# Altium PCB MC21R01.PcbDoc (part 4 of 5) (continued)
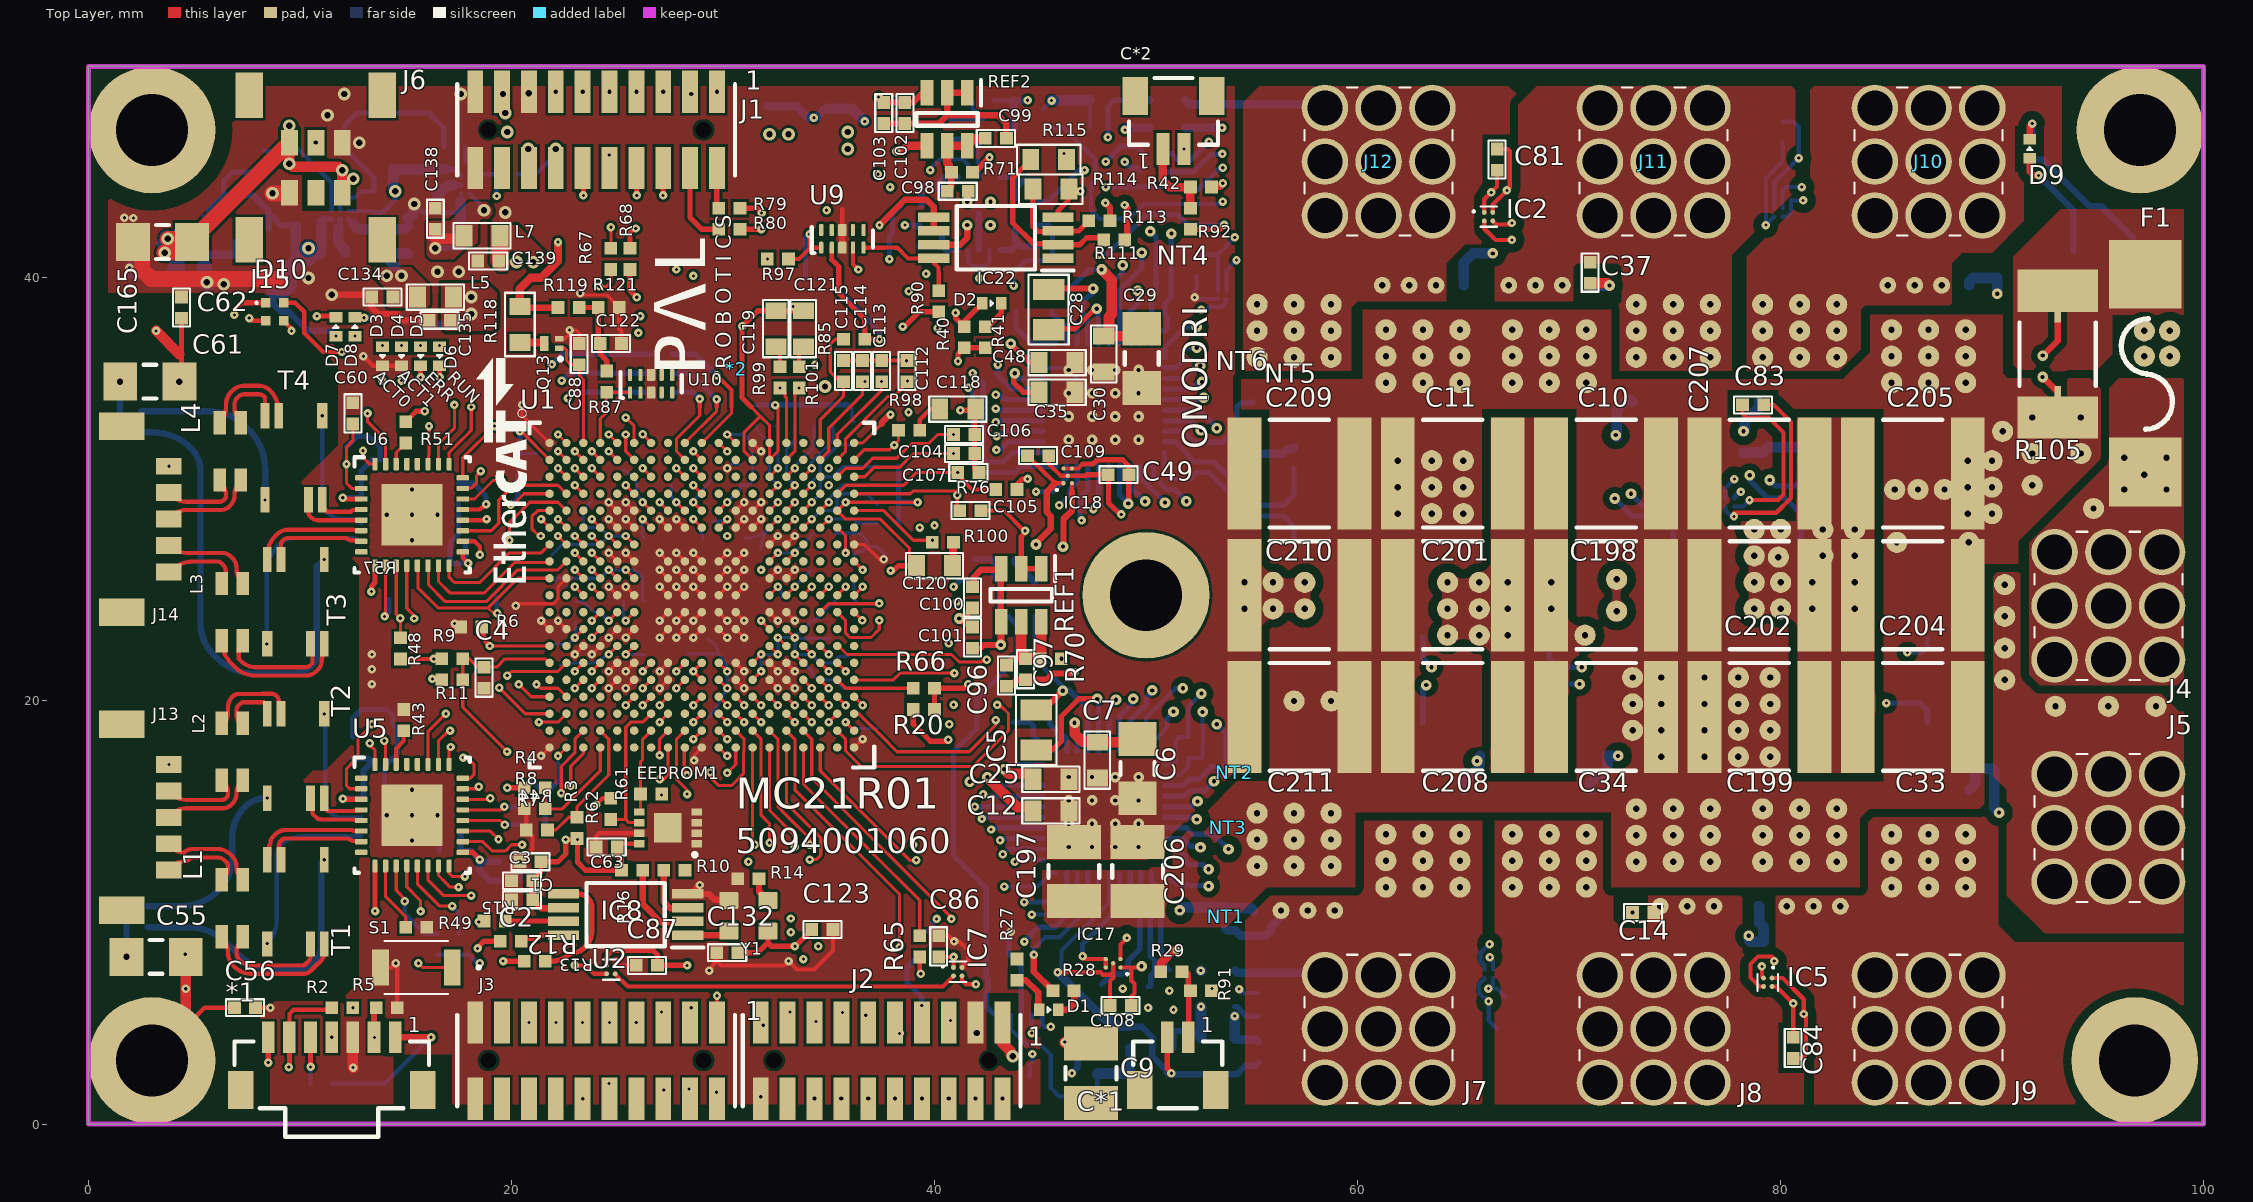
[diagram p0: Top Layer view]
## Nets (pads, with @x,y where several pads share a name; then routed paths per layer and width w, separated by ;. In a path a pad name is that pad's centre, name@x,y a point inside that pad or via, vN(x,y) a via of type N, cw(c..) or ccw(c..) an arc to the next point about the centre after c; other vN are vias at no path point) (continued)
  Layer 6 w0.5: 56.5,34 56.55,34.05 65.259,34.05 65.844,34.636 65.844,34.644 66.3,35.1 66.3,38.7 66.7,39.1
  Bottom Layer w0.4: R31.2@51.85,47.1 v1(53.6,47.1)
MOTC1: C15.2 J9.1 NT3.2 pad.17@80.291,10.292 pad.17@81.561,10.292 pad.17@82.831,10.292 pad.17@85.25,11.2 pad.17@85.25,12.45 pad.17@85.25,13.7 pad.17@87,11.2 pad.17@87,12.45 pad.17@87,13.7 pad.17@88.75,11.2 pad.17@88.75,12.45 pad.17@88.75,13.7 Q3.1 Q3.2 Q3.3 Q6.5 Q6.6 Q6.7 Q6.8 R19.2 | length 53.4
  Layer 5 w0.2: v1(46.5,2.4) 47,1.9 52.119,1.9 55.1,4.881 55.1,10.611 54.399,11.312 54.399,13.801 54.325,13.875 54.325,13.893 54.193,14.025 54.175,14.025 NT3.2@53.9,14.3
  Layer 5 w0.5: NT3.2@53.9,14.3 53.936,14.336 53.936,14.8 54.836,15.7 59.7,15.7 60.4,15 71.6,15 72.179,14.421 72.179,11.986 72.765,11.4 77.85,11.4 78.562,10.688 79.938,10.688 80,10.75
  Bottom Layer w0.3: v1(46.5,2.4) 46.78,2.68 46.78,3.88 46.95,4.05 R19.2@47.7,4.05
  Bottom Layer w0.5: R19.2@47.5,3.9 R19.2@47.85,3.9
MOTC2: C38.2 J12.1 NT6.2 pad.17@55.25,36.25 pad.17@55.25,37.5 pad.17@55.25,38.75 pad.17@57,36.25 pad.17@57,37.5 pad.17@57,38.75 pad.17@58.75,36.25 pad.17@58.75,37.5 pad.17@58.75,38.75 pad.17@61.169,39.657 pad.17@62.439,39.657 pad.17@63.709,39.657 Q9.1 Q9.2 Q9.3 Q12.5 Q12.6 Q12.7 Q12.8 R32.2 | length 9.3
  Layer 7 w0.4: NT6.2@53.5,34.7 53.5,34.9 54.85,36.25 pad.17@55.25,36.25
  Bottom Layer w0.4: R32.2@51.85,48.4 52.03,48.22 58.28,48.22 J12.1@58.46,48.04
NetC5_2: C5.2 U3.5 | length 7.2
  Top Layer w0.25: C5.2@44.812,17.68 45.58,17.68 45.991,18.091 45.991,19.268 46.823,20.1 v2(47.7,20.1)
  Bottom Layer w0.25: U3.5@47.75,17.625 47.75,20.15 v2@47.8,20.2
NetC8_1: C8.1 U3.2 | length 1.8
  Bottom Layer w0.25: C8.1@45.45,19 45.45,18.9 45.725,18.625 45.832,18.625 46.25,18.207 U3.2@46.25,17.625
NetC8_2: C8.2 U3.1 | length 3
  Bottom Layer w0.25: C8.2@43.75,19 44.5,19 44.675,18.825 44.675,18.345 45.22,17.8 45.75,17.8 U3.1@45.75,17.625
NetC16_2: C16.2 Q4.1 Q4.2 Q4.3 R24.2
NetC17_2: C17.2 Q5.1 Q5.2 Q5.3 R25.2
NetC18_2: C18.2 Q6.1 Q6.2 Q6.3 R26.2
NetC25_2: C25.2 U3.40 | length 3.5
  Top Layer w0.5: v2(43.3,16.775) 43.525,16.55 44.5,16.55 44.65,16.4 C25.2@44.65,16.3
  Bottom Layer w0.25: v2(43.3,16.775) 43.368,16.775 43.593,17 U3.40@45.125,17
NetC28_2: C28.2 U4.5 | length 4.5
  Top Layer w0.25: C28.2@45.4,37.55 45.45,37.6 46.637,37.6 47.583,38.545 v2(47.667,38.545)
  Bottom Layer w0.25: v2(47.667,38.545) 47.708,38.545 47.75,38.588 U4.5@47.75,36.875
NetC31_1: C31.1 U4.2 | length 1.9
  Bottom Layer w0.25: C31.1@45.55,38.4 45.55,38.3 45.825,38.025 45.89,38.025 46.25,37.665 U4.2@46.25,36.875
NetC31_2: C31.2 U4.1 | length 3
  Bottom Layer w0.25: C31.2@43.85,38.4 43.85,37.65 44.625,36.875 U4.1@45.75,36.875
NetC39_2: C39.2 Q10.1 Q10.2 Q10.3 R37.2 | length 2.8
  Bottom Layer w0.5: C39.2@78.25,31.75 79.179,31.75 79.429,32 R37.2@80.905,32
NetC40_2: C40.2 Q11.1 Q11.2 Q11.3 R38.2
NetC41_2: C41.2 Q12.1 Q12.2 Q12.3 R39.2 | length 2.8
  Bottom Layer w0.4: C41.2@54.3,31.7 56.484,31.7 56.684,31.9 56.9,31.9 R39.2@57,32
NetC48_2: C48.2 U4.40 | length 3.5
  Top Layer w0.25: v2(43.6,36.9) 44.5,36 C48.2@44.95,36
  Bottom Layer w0.25: v2(43.6,36.9) 44.25,36.25 U4.40@45.125,36.25
NetC52_2: C52.2 T1.5 | length 8.8
  Top Layer w0.2: T1.5@8.45,8.51 v1(8.45,8.531)
  Bottom Layer w0.2: v1(8.45,8.531) ccw(c7.364,9.618) 8.9,9.618 8.9,12.717 cw(c9.583,12.717) 9.1,13.2 cw(c10.066,12.234) 10.066,13.6 C52.2@12.9,13.6
NetC53_2: C53.2 T2.5 | length 6.3
  Bottom Layer w0.2: v1(11.15,19.39) 11.2,19.34 11.2,15.301 ccw(c12.041,15.301) 11.828,14.488 12.888,14.488 C53.2@12.9,14.5
NetC54_1: C54.1 U5.2 | length 4.2
  Top Layer w0.15: U5.2@12.9,15.85 12.35,15.85 12.2,16 12.2,16.8 12.525,17.125 12.6,17.2 12.75,17.35 12.75,17.772 12.75,18.228 13.072,18.55 13.4,18.878 v1(13.4,18.9)
NetC55_1: C55.1 R45.1 R47.1 | length 2.4
  Bottom Layer w0.3: v3(1.8,7.9) R45.1@1.8,9.3 R47.1@1.8,10.3
NetC58_2: C58.2 T3.5 | length 8.9
  Top Layer w0.2: v1(8.426,22.7) ccw(c8.426,22.734) T3.5@8.45,22.71
  Bottom Layer w0.2: v1(8.426,22.7) 8.426,26.014 cw(c10.386,26.014) 9,27.4 cw(c9.724,26.676) 9.724,27.7 12.417,27.7 cw(c12.417,27.017) C58.2@12.9,27.5
NetC59_2: C59.2 T4.5 | length 6.4
  Bottom Layer w0.2: v1(11.05,33.49) 11.05,29.504 ccw(c11.904,29.504) 11.3,28.9 ccw(c12.024,29.624) 12.024,28.6 12.417,28.6 cw(c12.417,27.917) C59.2@12.9,28.4
NetC60_1: C60.1 U6.2 | length 3.7
  Top Layer w0.15: C60.1@12.5,33.1 12.5,32.3 12.2,32 v1(12.2,31.2) 12.2,30.3 12.45,30.05 U6.2@12.9,30.05
NetC61_1: C61.1 R53.1 R55.1 | length 2.4
  Top Layer w0.2: v3(1.49,35.09) C61.1@1.5,35.1
  Bottom Layer w0.3: v3(1.49,35.09) 1.49,32.724 ccw(c1.524,32.724) R53.1@1.5,32.7
NetC96_1: C96.1 C97.1 R70.2 REF1.5 REF1.6 | length 5.3
  Top Layer w0.3: C96.1@43.4,21.7 43.7,22 C97.1@44.3,22
  Top Layer w0.5: REF1.5@44.1,23.75 44.1,22.3 44.35,22.05 44.4,22 R70.2@45,22 45.05,22 REF1.6@45.05,23.75
NetC98_1: C98.1 C99.1 R71.2 REF2.5 REF2.6 | length 4.3
  Top Layer w0.3: C98.1@40.6,44.1 40.8,44.3 R71.2@40.8,45
  Top Layer w0.4: R71.2@40.8,45 40.67,45.13 40.67,45.347 40.643,45.375 ccw(c40.02,45.188) 40.6,45.482 REF2.5@40.6,46.25 REF2.6@41.55,46.25 41.9,46.6 C99.1@42.4,46.6
NetC118_1: C118.1 R98.1 | length 1.7
  Top Layer w0.2: R98.1@39.3,32.8 39.3,33.3 39.8,33.8 C118.1@40.25,33.8
NetC119_1: C119.1 R99.1 | length 1
  Top Layer w0.2: C119.1@32.5,36.75 32.7,36.55 R99.1@32.7,35.8
NetC120_1: C120.1 R100.1 | length 1
  Top Layer w0.4: C120.1@40.85,26.5 40.875,26.525 40.875,27.475 R100.1@40.9,27.5
NetC121_1: C121.1 R101.1 | length 1
  Top Layer w0.2: R101.1@33.6,35.8 33.6,36.55 C121.1@33.8,36.75
NetC122_1: C122.1 R87.2 R119.1 R121.2 | length 4.1
  Top Layer w0.25: R119.1@23.2,38.6 R121.2@24.1,38.6 24.1,37 C122.1@24.2,36.9 24.2,36.4 24.5,36.1 R87.2@24.5,35.6
NetD1_K: D1.K R28.2 | length 1.5
  Top Layer w0.3: D1.K@45.85,5.4 46.3,5.4 46.6,5.7 R28.2@46.6,6.3
NetD2_K: D2.K R41.2 | length 1.5
  Top Layer w0.25: R41.2@42.4,37.7 42.527,37.7 43.15,38.323 D2.K@43.15,38.8
NetD3_A: D3.A R59.1 | length 0
  other v1: 13.9,36.8
NetD4_A: D4.A R60.1 | length 0
  other v1: 14.8,36.8
NetD5_A: D5.A R63.2
  other v1: 15.7,36.8
NetD6_A: D6.A R64.2
  other v1: 16.6,36.8
NetD7_K: D7.K R107.2 | length 0.9
  Top Layer w0.25: v1(10.8,38.2) 11.65,38.2 D7.K@11.7,38.15
NetD8_K: D8.K R112.2 | length 1.1
  Top Layer w0.3: D8.K@12.6,38.15 13.059,38.15 v1(13.03,38.121)
  Bottom Layer w0.3: v1(13.03,38.121) 13.579,38.121 R112.2@13.6,38.1
NetD9_K: D9.K R33.2 | length 1.5
  Top Layer w0.3: D9.K@91.781,46.556 91.781,47.181 v1(91.9,47.3)
  Bottom Layer w0.3: R33.2@91.9,46.6 v1(91.9,47.3)
NetD10_2: D10.2 R86.1 | length 19.9
  Top Layer w0.2: D10.2@9.225,38.825 9.775,38.825 10.2,38.4 10.2,37.4 11.1,36.5 v1(11.976,36.5)
  Layer 4 w0.25: v1(11.976,36.5) 12.676,35.8 13.5,35.8 20,35.8 21.477,34.323 v1(22.668,34.323)
  Bottom Layer w0.25: v1(22.668,34.323) 22.945,34.6 R86.1@26.6,34.6
NetD10_3: D10.3 R78.1 | length 18.9
  Top Layer w0.2: D10.3@9.225,37.975 9.6,37.6 v1(9.6,37.5)
  Layer 4 w0.25: v1(9.6,37.5) 9.8,37.7 10.6,37.7 12.815,37.7 12.844,37.671 13.217,37.671 16.629,37.671 17.8,36.5 20,36.5 21.35,35.15 v1(22.38,35.15)
  Bottom Layer w0.25: v1(22.38,35.15) 22.73,35.5 R78.1@26.6,35.5
NetD10_4: D10.4 R77.1 | length 21.4
  Top Layer w0.2: v1(7.603,38.1) 7.728,37.975 D10.4@8.375,37.975
  Layer 4 w0.25: v1(7.603,38.1) 8.153,38.65 10.614,38.65 10.986,38.65 16.45,38.65 18.1,37 20.2,37 21.288,35.912 v1(21.912,35.912)
  Bottom Layer w0.25: v1(21.912,35.912) 22.4,36.4 R77.1@26.6,36.4
NetF1_1: F1.1 J4.1 pad.17@94.8,29.1 pad.17@96.25,30 pad.17@96.25,31.5 pad.17@97.2,30.7 pad.17@98.25,30 pad.17@98.25,31.5
NetF1_2: F1.2 R105.2
NetIC1_B1: IC1.B1 IC2.B2 | length 16.6
  Top Layer w0.2: IC2.B2@66.395,42.7 66.567,42.528 67.228,42.528 v1(67.3,42.6)
  Layer 4 w0.2: v1(54.279,40.844) 56.956,40.844 57.255,40.545 62.269,40.545 64.823,40.545 66.878,42.6 v1(67.3,42.6)
  Bottom Layer w0.2: IC1.B1@53.8,39.4 53.8,40.365 v1(54.279,40.844)
NetIC2_B1: IC2.B1 IC3.B2 | length 19.1
  Top Layer w0.2: IC2.B1@65.995,42.7 65.995,42.328 66.423,41.9 66.523,41.8 v1(67.3,41.8)
  Layer 4 w0.2: v1(67.3,41.8) 67.4,41.9 69.03,41.9 70.23,40.7 72.12,40.7 77.9,40.7 79.213,42.013 79.513,42.013 81.067,43.567 v1(81.067,43.667)
  Bottom Layer w0.2: IC3.B2@80.1,42.9 80.301,42.9 80.5,43.099 80.5,43.679 80.512,43.667 v1(81.067,43.667)
NetIC3_B1: IC3.B1 IC4.B2 | length 45.4
  Layer 4 w0.2: v1(78.127,29.885) 78.233,29.885 78.332,29.983 78.733,29.983 78.962,29.755 84.245,29.755 85.152,28.848 86.008,28.848 86.86,27.996 86.86,27.514 87.854,26.52 89.194,26.52 91.999,29.325 92.032,29.325 92.032,29.335 92.435,29.335 92.831,29.731 92.831,33.778 93.344,34.291 93.344,38.436 91.3,40.48 82.627,40.48 81.6,41.507 81.6,44.1 81.4,44.3 v1(81,44.3)
  Bottom Layer w0.2: IC3.B1@80.1,43.3 80.1,44.1 80.3,44.3 v1(81,44.3)
  Bottom Layer w0.25: IC4.B2@77.8,29.6 78.157,29.957 78.169,29.957 78.169,29.926 v1(78.127,29.885)
NetIC4_B1: IC4.B1 IC5.B2 | length 33.6
  Top Layer w0.2: IC5.B2@79.2,6.5 78.999,6.5 78.575,6.924 78.575,7.558 78.93,7.913 79.587,7.913 79.7,7.8 v1(79.7,7.7)
  Layer 4 w0.2: v1(77.82,30.488) 76.7,29.368 76.7,24.098 78.198,22.6 79.856,22.6 81.798,20.657 81.798,17.233 83.598,15.433 83.598,9.912 83.158,9.472 81.472,9.472 v1(79.7,7.7)
  Bottom Layer w0.2: IC4.B1@77.4,29.6 77.4,30.068 v1(77.82,30.488)
NetIC5_B1: IC5.B1 IC6.B2 | length 16.9
  Top Layer w0.2: v1(79.12,7.453) 79.12,6.98 IC5.B1@79.2,6.9
  Layer 4 w0.2: v1(66.261,7.881) 68.281,7.881 69.7,9.3 77.5,9.3 77.75,9.55 78.946,9.55 79.275,9.221 79.275,8.175 79.12,8.02 v1(79.12,7.453)
  Bottom Layer w0.2: v1(66.261,7.881) 66.4,7.742 IC6.B2@66.4,7.3
NetIC6_B1: IC6.B1 IC7.B2 | length 32.3
  Top Layer w0.2: IC7.B2@41.3,7 41.3,6.8 41.492,6.608 v1(41.961,6.608)
  Layer 4 w0.2: v1(41.961,6.608) 42.369,6.2 47.324,6.2 49.629,3.895 54.771,3.895 55.605,4.729 55.605,8.005 56.9,9.3 65.124,9.3 65.927,8.497 v1(66.243,8.497)
  Bottom Layer w0.2: IC6.B1@66,7.3 66,7.491 65.801,7.69 65.801,8.071 66.07,8.341 66.087,8.341 v1(66.243,8.497)
NetIC7_B1: IC7.B1 IC8.B2 | length 16.5
  Top Layer w0.2: IC8.B2@24.9,7.1 25.5,6.5 40.4,6.5 IC7.B1@40.9,7
NetIC21_A1: IC21.A1 R109.1 | length 5.2
  Bottom Layer w0.2: R109.1@8.3,46 8.8,46 8.9,46.1 9.9,46.1 11.5,44.5 IC21.A1@11.5,43.17
NetIC21_B2: IC21.B2 L8.2 | length 1.7
  Bottom Layer w0.25: 11.811,42.359 11.9,42.448 IC21.B2@11.9,42.77
  Bottom Layer w0.5: 11.811,42.359 11.811,41.639 12.15,41.3 L8.2@12.15,41.2
NetIC22_2: IC22.2 R111.1 R115.2 | length 8.2
  Top Layer w0.25: R115.2@44.55,45.6 43.7,44.75 43.7,42.6 44.675,41.625 45.788,41.625 IC22.2@45.838,41.575 46.875,41.575 47.2,41.9 R111.1@48,41.9
NetIC22_3: IC22.3 R113.2 R114.2 | length 4.8
  Top Layer w0.25: R114.2@44.65,44.2 44.65,42.45 44.9,42.2 IC22.3@45.813,42.2 ; IC22.3@45.838,42.225 46.818,42.225 46.993,42.4 47,42.4 R113.2@47.3,42.7
  Top Layer w0.3: IC22.3@45.512,42.287 45.563,42.238 IC22.3@45.575,42.225 ; IC22.3@45.813,42.2 IC22.3@45.838,42.225
NetIC23_A1: IC23.A1 R116.1 | length 1.5
  Bottom Layer w0.2: R116.1@17.8,46.2 17.8,45.5 18.011,45.289 IC23.A1@18.011,44.789
NetIC23_B2: IC23.B2 L9.2 | length 1.3
  Bottom Layer w0.25: 17.239,44.389 IC23.B2@17.611,44.389
  Bottom Layer w0.5: L9.2@16.46,43.95 16.56,43.95 16.999,44.389 17.239,44.389
NetQ13_3: Q13.3 R118.1 | length 1.2
  Top Layer w0.4: R118.1@20.4,36.95 21.5,36.95 Q13.3@21.55,36.9
NetR2_1: R2.1 U1.W15 | length 45.4
  Top Layer w0.15: v1(24.6,32.6) U1.W15@25,32.2
  Layer 2 w0.125: v1(12.5,5.5) 13.3,5.5 14.4,6.6 23.582,6.6 24.941,7.959 24.941,16.9 24.941,17.502 26.839,19.4 27.2,19.4 29,21.2 29,28.079 29.3,28.379 29.3,32.093 28.893,32.5 28.146,32.5 27.746,32.1 25.1,32.1 v1(24.6,32.6)
NetR10_2: R10.2 U2.3 | length 2.9
  Top Layer w0.3: R10.2@27.2,12 27.2,10.5 27.507,10.193 U2.3@28.456,10.193
NetR12_2: R12.2 U2.8 | length 2.1
  Top Layer w0.25: R12.2@20.466,8.634 20.6,8.768 21.253,8.768 21.41,8.925 U2.8@22.462,8.925
NetR13_2: R13.2 U2.5 | length 5.7
  Top Layer w0.25: R13.2@21.6,7.7 21.93,7.7 ccw(c21.93,8.835) 22.733,8.033 cw(c22.899,7.866) 22.899,8.101 ccw(c22.899,8.832) 23.415,8.315 23.5,8.4 ccw(c22.776,9.124) 23.8,9.124 23.8,10.217 ccw(c23.117,10.217) 23.6,10.7 ccw(c23.177,10.277) 23.177,10.875 U2.5@22.462,10.875
NetR14_1: R14.1 Y1.1 | length 1.2
  Top Layer w0.3: R14.1@31.7,11.6 31.7,10.993 Y1.1@32.125,10.568
NetR15_2: R15.2 U2.7 | length 2.8
  Top Layer w0.25: R15.2@19.7,9.6 20.7,9.6 22.437,9.6 U2.7@22.462,9.575
NetR16_1: R16.1 U2.2 | length 4.2
  Top Layer w0.3: R16.1@26.2,12 26.2,10.4 27.057,9.543 U2.2@28.456,9.543
NetR45_2: R45.2 T1.3 T1.4 | length 13.6
  Bottom Layer w0.3: R45.2@2.8,9.3 4.748,9.3 cw(c4.748,6.76) 6.544,8.556 7.056,8.044 ccw(c8.852,9.84) 8.852,7.3 9.747,7.3 ccw(c9.747,8.655) 10.705,7.697 ccw(c9.993,8.409) 11,8.409 11,12.34 v1(11.15,12.49)
NetR47_2: R47.2 T2.3 T2.4 | length 9
  Bottom Layer w0.3: R47.2@2.8,10.3 4.348,10.3 ccw(c4.348,12.84) 6.144,11.044 ccw(c4.56,12.628) 6.8,12.628 6.8,13.551 cw(c8.849,13.551) 7.4,15 cw(c8.39,14.01) 8.39,15.41 v1(8.45,15.41)
NetR49_1: R49.1 U5.10 | length 3.3
  Top Layer w0.15: U5.10@14.05,12.2 14.05,10.75 15,9.8 R49.1@15,9.3
NetR53_2: R53.2 T3.3 T3.4 | length 22.8
  Bottom Layer w0.3: R53.2@2.5,32.7 3.048,32.7 cw(c3.048,30.16) 4.844,31.956 cw(c3.743,30.855) 5.3,30.855 5.3,23.649 ccw(c7.349,23.649) 5.9,22.2 6.056,22.044 ccw(c7.852,23.84) 7.852,21.3 9.634,21.3 ccw(c9.634,22.666) 10.6,21.7 ccw(c10.117,22.183) 10.8,22.183 10.8,26.34 v1(11.15,26.69)
NetR55_2: R55.2 T4.3 T4.4 | length 8.9
  Bottom Layer w0.3: R55.2@2.5,33.7 5.648,33.7 cw(c5.648,31.16) 7.444,32.956 7.606,32.794 cw(c5.81,30.998) 8.35,30.998 v1(8.35,29.51)
NetR57_1: R57.1 U6.10 | length 3.3
  Top Layer w0.15: v1(14,24) 14.05,24.05 U6.10@14.05,26.4
  Bottom Layer w0.25: v1(14,24) 14.2,24.2 R57.1@14.2,24.8
NetR65_2: R65.2 U1.A4 | length 11.4
  Top Layer w0.15: U1.A4@33.8,17.8 33.8,16.073 34.419,15.454 36.835,13.038 ; R65.2@39.3,8.9 39.3,10.573 36.974,12.899 ; 36.835,13.038 36.974,12.899 ; 36.835,13.038 36.974,12.899
NetR66_1: R66.1 U1.E2 | length 3.8
  Top Layer w0.15: U1.E2@35.4,21 35.8,20.6 R66.1@39,20.6
NetR67_1: R67.1 U1.P19 | length 14.5
  Top Layer w0.125: v1(21.4,28.6) U1.P19@21.8,28.2
  Top Layer w0.15: v1(24.15,39.608) 24.241,39.608 24.249,39.6 24.5,39.6 24.7,39.8 R67.1@24.7,40.4
  Layer 3 w0.15: v1(21.4,28.6) 21.4,28.9 22.3,29.8 22.834,29.8 23.166,29.8 23.4,30.034 23.4,33.9 23.4,38.858 v1(24.15,39.608)
NetR68_1: R68.1 U1.M16 | length 18.2
  Top Layer w0.15: v1(23.8,27) U1.M16@24.2,26.6
  Top Layer w0.25: R68.1@25.6,40.4 25.591,40.391 25.591,39.705 25.582,39.697 25.582,39.44 25.937,39.085 v1(25.925,39.085)
  Layer 3 w0.15: v1(23.8,27) 24.2,27.4 27,27.4 27.4,27.8 27.4,32.6 27.4,33.9 27.4,38.2 26.5,39.1 25.94,39.1 v1(25.925,39.085)
NetR69_1: R69.1 U1.L17 | length 35.5
  Top Layer w0.15: v1(23,26.2) U1.L17@23.4,25.8
  Layer 4 w0.15: v1(23,26.2) 22.556,25.756 22.556,25.044 23.3,24.3 31.1,24.3 31.4,24 31.4,18.3 31.238,18.137 31.238,16.9 31.238,14.338 30.6,13.7 30.6,11.6 32.485,9.715 v1(33.211,9.715)
  Layer 5 w0.15: v1(33.211,9.715) 33.512,9.414 39.814,9.414 v1(40.1,9.7)
  Bottom Layer w0.25: R69.1@39.4,9.1 39.7,9.1 39.933,9.333 39.933,9.533 v1(40.1,9.7)
NetR72_1: R72.1 R98.2 U1.V1 | length 15.1
  Top Layer w0.15: U1.V1@36.2,31.4 36.675,31.875 37.875,31.875 v1(38.1,32.1) 38.1,32.103 38.3,32.303 R98.2@38.3,32.8
  Layer 2 w0.15: v1(37.868,40.894) 37.939,40.824 37.939,37.448 37.939,34.739 37.3,34.1 37.3,33.9 37.3,32.9 37.5,32.7 v1(38.1,32.1)
  Bottom Layer w0.25: v1(37.868,40.894) v1@37.868,41.044 ; v1@37.869,41.045 37.869,41.982 38.013,42.127 38.013,43.013 R72.1@38.4,43.4
NetR81_1: R81.1 R99.2 U1.W5 | length 26.4
  Top Layer w0.15: v1(32.7,34.8) 32.925,34.575 32.925,34.415 33,34.34 U1.W5@33,32.2
  Layer 3 w0.15: v1(32.7,34.8) 33.1,35.2 33.1,35.313 33.1,36.307 33.893,37.1 34.887,37.1 38.444,40.656 38.444,41.843 38.187,42.099 38.187,42.694 39.173,43.68 40.593,45.1 v1(47.1,45.1)
  Bottom Layer w0.25: R81.1@44.9,43.6 45.346,43.6 46.846,45.1 v1(47.1,45.1)
NetR88_1: R88.1 R100.2 U1.R1 | length 22.8
  Top Layer w0.15: U1.R1@36.2,29 37.6,29 39,27.6 v1(39.9,27.6)
  Layer 3 w0.15: v1(39.9,27.6) 39.974,27.6 40.419,28.045 40.419,36.253 40.715,36.549 43.737,39.571 v1(43.737,39.634)
  Bottom Layer w0.25: v1(43.737,39.634) 43.737,40.237 44.325,40.825 45.355,40.825 45.575,41.045 45.575,42.325 45.4,42.5 R88.1@44.9,42.5
NetR93_1: R93.1 R101.2 U1.V5 | length 15.1
  Top Layer w0.15: U1.V5@33,31.4 33.4,31.8 33.4,34.6 v1(33.6,34.8)
  Layer 3 w0.15: v1(33.6,34.8) 33.6,36.1 34.1,36.6 35.095,36.6 38.9,40.405 38.944,40.449 38.944,40.863 38.944,42.156 v1(38.6,42.5)
  Bottom Layer w0.25: v1(38.6,42.5) 39.1,42.5 39.2,42.4 R93.1@39.3,42.5
P0_25MHZ_CLK: R12.1 U5.9 | length 9
  Top Layer w0.25: v1(13.55,10.069) U5.9@13.55,12.2 ; v1(18.4,8.3) 18.4,8.352 18.682,8.634 R12.1@19.466,8.634
  Layer 3 w0.25: v1(13.55,10.069) ccw(c14.321,10.069) 13.776,9.524 14.256,9.044 ccw(c16.052,10.84) 16.052,8.3 v1(18.4,8.3)
P0_RD_N: T2.1 U5.4 | length 2.3
  Top Layer w0.2: T2.1@11.15,15.41 11.15,15.162 ccw(c11.662,15.162) 11.3,14.8 12.511,14.8 cw(c12.65,14.425) 12.65,14.825 12.868,14.825 ccw(c12.779,14.971) U5.4@12.9,14.85
P0_RD_P: T2.2 U5.5 | length 3.2
  Top Layer w0.2: T2.2@10.5,15.41 ccw(c12.13,15.41) 10.595,14.862 10.595,14.665 10.8,14.46 10.805,14.46 ccw(c11.016,14.8) 11.016,14.4 12.511,14.4 ccw(c12.65,14.775) 12.65,14.375 12.868,14.375 cw(c12.779,14.229) U5.5@12.9,14.35
P0_RX_N: J13.4 L2.3 | length 3.8
  Top Layer w0.2: J13.4@3.8,15.75 3.96,15.59 ccw(c4.6,16.23) 4.6,15.325 6.319,15.325 ccw(c6.319,15.581) 6.5,15.4 ccw(c6.259,15.641) 6.6,15.641 6.6,15.7 ccw(c5.996,15.7) 6.423,16.127 L2.3@6.3,16.25
P0_RX_P: J13.3 L2.2 | length 4.5
  Top Layer w0.2: J13.3@3.8,14.5 3.96,14.66 cw(c4.6,14.02) 4.6,14.925 6.321,14.925 ccw(c6.321,15.576) 6.781,15.116 6.784,15.118 ccw(c6.261,15.64) 7,15.64 7,15.7 cw(c7.604,15.7) 7.177,16.127 L2.2@7.3,16.25
P0_RX_TF_N: L2.4 T2.6 | length 4.6
  Top Layer w0.2: L2.4@6.3,18.75 ccw(c5.576,19.474) 6.6,19.474 6.6,19.717 cw(c7.283,19.717) 6.8,20.2 cw(c7.129,19.871) 7.129,20.336 8.195,20.336 cw(c8.245,19.99) 8.245,20.34 8.655,20.34 cw(c8.655,19.99) 8.705,20.336 cw(c8.655,19.99) 9.005,19.99 9.005,19.864 cw(c7.869,19.39) T2.6@9.1,19.39
P0_RX_TF_P: L2.1 T2.7 | length 3
  Top Layer w0.2: L2.1@7.3,18.75 7.247,18.803 cw(c7.845,19.4) 7,19.4 7,19.559 cw(c7.341,19.559) 7.1,19.8 cw(c7.583,19.317) 7.295,19.936 8.193,19.936 ccw(c8.195,20.336) 8.248,19.94 8.3,19.94 cw(c7.938,19.578) 8.45,19.578 T2.7@8.45,19.39
P0_TD_N: T1.1 U5.6 | length 5.5
  Top Layer w0.2: T1.1@8.45,12.49 ccw(c8.22,12.72) 8.545,12.708 8.545,13.09 cw(c8.895,13.09) 8.545,13.102 cw(c8.895,13.09) 8.6,13.278 cw(c9.052,13.278) 8.732,13.598 8.818,13.684 cw(c9.34,13.161) 9.34,13.9 12.259,13.9 12.4,13.9 12.471,13.9 12.521,13.85 U5.6@12.9,13.85
P0_TD_P: T1.2 U5.7 | length 4.8
  Top Layer w0.2: T1.2@9.1,12.49 cw(c9.33,12.72) 9.005,12.71 9.005,13.09 ccw(c8.655,13.09) 9.005,13.1 ccw(c8.655,13.09) 9,13.149 9,13.159 cw(c9.341,13.159) 9.1,13.4 cw(c9.341,13.159) 9.341,13.5 12.295,13.5 ccw(c12.556,13.761) 12.453,13.407 12.484,13.375 U5.7@12.649,13.375 ; U5.7@12.65,13.375 12.868,13.375 cw(c12.779,13.229) U5.7@12.9,13.35
P0_TX_N: J13.2 L1.3 | length 4.6
  Top Layer w0.2: J13.2@3.8,13.25 4.031,13.019 ccw(c4.5,13.489) 4.5,12.825 cw(c4.922,12.403) 4.922,13 6.102,13 cw(c6.102,12.122) 6.723,12.743 6.784,12.682 cw(c6.262,12.16) 7,12.16 7,12.1 ccw(c7.604,12.1) 7.177,11.673 L1.3@7.3,11.55
P0_TX_P: J13.1 L1.2 | length 3.9
  Top Layer w0.2: J13.1@3.8,12 J13.1@4.031,12.231 ; J13.1@4.031,12.231 cw(c4.5,11.761) 4.5,12.425 4.542,12.425 ccw(c4.542,12.724) 4.753,12.513 cw(c4.964,12.301) 4.964,12.6 6.1,12.6 cw(c6.1,12.117) 6.441,12.459 6.5,12.4 cw(c6.259,12.159) 6.6,12.159 6.6,12.1 cw(c5.996,12.1) 6.423,11.673 L1.2@6.3,11.55
P0_TX_TF_N: L1.4 T1.6 | length 5.5
  Top Layer w0.2: L1.4@7.3,8.85 ccw(c8.024,8.126) 7,8.126 7,8.1 ccw(c7.483,8.1) 7.141,7.759 7.2,7.7 ccw(c7.683,8.183) 7.683,7.5 10.129,7.5 ccw(c10.129,7.671) 10.25,7.55 10.4,7.7 ccw(c10.159,7.941) 10.5,7.941 T1.6@10.5,8.51
P0_TX_TF_P: L1.1 T1.7 | length 6.8
  Top Layer w0.2: L1.1@6.3,8.85 cw(c5.576,8.126) 6.6,8.126 6.6,8.099 ccw(c7.48,8.099) 6.858,7.476 6.917,7.417 6.919,7.415 ccw(c7.68,8.176) 7.68,7.1 10.13,7.1 ccw(c10.13,7.668) 10.532,7.266 10.864,7.598 ccw(c10.705,7.91) 11.017,7.751 ccw(c10.695,8.073) 11.15,8.073 T1.7@11.15,8.51
P1_25MHZ_CLK: R13.1 U6.9 | length 24.7
  Top Layer w0.25: v1(13.379,25.171) 13.379,25.327 cw(c13.566,25.327) 13.434,25.459 ccw(c13.153,25.74) 13.55,25.74 U6.9@13.55,26.4 ; v1(19.6,7.7) R13.1@20.6,7.7
  Layer 3 w0.25: v1(13.379,25.171) 13.314,25.171 13.314,24.071 ccw(c15.451,24.071) 13.94,22.56 13.956,22.544 cw(c12.16,20.748) 14.7,20.748 14.7,17.886 cw(c12.802,17.886) 14.144,16.544 ccw(c15.94,14.748) 13.4,14.748 13.4,12.152 ccw(c15.94,12.152) 14.144,10.356 14.856,9.644 ccw(c16.652,11.44) 16.652,8.9 18.41,8.9 cw(c18.41,7.717) 19.246,8.554 cw(c18.393,7.7) v1(19.6,7.7)
P1_RD_N: T4.1 U6.4 | length 2.3
  Top Layer w0.2: T4.1@11.05,29.51 ccw(c11.842,29.51) 11.282,28.95 12.409,28.95 12.484,29.025 12.875,29.025 U6.4@12.9,29.05
P1_RD_P: T4.2 U6.5 | length 3.3
  Top Layer w0.2: T4.2@10.4,29.51 10.4,28.941 ccw(c10.741,28.941) 10.5,28.7 ccw(c10.865,29.065) 10.832,28.55 12.421,28.55 U6.5@12.9,28.55
P1_RX_N: J14.4 L4.3 | length 3.8
  Top Layer w0.2: J14.4@3.8,29.85 3.96,29.69 ccw(c4.6,30.33) 4.6,29.425 6.219,29.425 ccw(c6.219,29.681) 6.4,29.5 6.429,29.529 ccw(c6.259,29.7) 6.5,29.7 6.5,29.726 ccw(c5.476,29.726) L4.3@6.2,30.45
P1_RX_P: J14.3 L4.2 | length 4.4
  Top Layer w0.2: J14.3@3.8,28.6 3.96,28.76 cw(c4.6,28.12) 4.6,29.025 6.221,29.025 ccw(c6.221,29.677) 6.682,29.216 6.714,29.248 ccw(c6.264,29.698) 6.9,29.698 6.9,29.726 cw(c7.924,29.726) L4.2@7.2,30.45
P1_RX_TF_N: L4.4 T4.6 | length 4.9
  Top Layer w0.2: L4.4@6.2,33.15 ccw(c5.476,33.874) 6.5,33.874 6.5,34.002 cw(c7.378,34.002) 6.757,34.623 6.818,34.684 cw(c7.34,34.161) 7.34,34.9 8.06,34.9 cw(c8.06,34.162) 8.582,34.684 8.584,34.682 cw(c7.58,33.677) 9,33.677 T4.6@9,33.49
P1_RX_TF_P: L4.1 T4.7 | length 3.6
  Top Layer w0.2: L4.1@7.2,33.15 cw(c7.924,33.874) 6.9,33.874 6.9,34 cw(c7.383,34) 7.041,34.341 7.1,34.4 cw(c7.341,34.159) 7.341,34.5 8.059,34.5 cw(c8.059,34.159) 8.3,34.4 cw(c8.179,34.279) 8.35,34.279 T4.7@8.35,33.49
P1_TD_N: T3.1 U6.6 | length 5.4
  Top Layer w0.2: T3.1@8.45,26.69 8.45,26.874 cw(c9.757,26.874) 8.833,27.799 8.918,27.884 cw(c9.44,27.361) 9.44,28.1 12.511,28.1 ccw(c12.65,28.475) 12.65,28.075 12.798,28.075 cw(c12.687,27.844) U6.6@12.868,28.025
P1_TD_P: T3.2 U6.7 | length 4.7
  Top Layer w0.2: T3.2@9.1,26.69 9.1,27.359 cw(c9.441,27.359) 9.2,27.6 cw(c9.441,27.359) 9.441,27.7 12.164,27.7 cw(c12.164,27.529) 12.284,27.65 ccw(c12.405,27.771) 12.405,27.6 12.511,27.6 ccw(c12.65,27.975) 12.65,27.575 12.868,27.575 cw(c12.779,27.429) U6.7@12.9,27.55
P1_TX_N: J14.2 L3.3 | length 4.5
  Top Layer w0.2: J14.2@3.8,27.35 ccw(c4.645,28.195) 4.645,27 6.302,27 cw(c6.302,26.363) 6.752,26.814 6.814,26.752 cw(c6.364,26.302) 7,26.302 7,26.274 ccw(c8.024,26.274) L3.3@7.3,25.55
P1_TX_P: J14.1 L3.2 | length 4
  Top Layer w0.2: J14.1@3.8,26.1 cw(c5.007,24.893) 5.007,26.6 6.059,26.6 cw(c6.059,26.259) 6.3,26.5 6.359,26.441 cw(c6.017,26.1) 6.5,26.1 6.5,26.033 cw(c5.817,26.033) L3.2@6.3,25.55 L3.2@6.19,25.816
P1_TX_TF_N: L3.4 T3.6 | length 5.5
  Top Layer w0.2: L3.4@7.3,22.85 ccw(c7.783,22.367) 7.1,22.367 7.1,22 7.217,21.883 ccw(c7.9,22.566) 7.9,21.6 10.26,21.6 ccw(c10.26,21.939) 10.5,21.7 ; 10.5,21.7 10.572,21.772 ; T3.6@10.5,22.71 cw(c10.198,22.408) 10.595,22.565 10.595,21.968 10.595,21.9 cw(c10.171,21.9) 10.577,21.777 cw(c10.448,21.898) 10.573,21.773
P1_TX_TF_P: L3.1 T3.7 | length 6.9
  Top Layer w0.2: L3.1@6.3,22.85 ccw(c7.786,22.85) 6.735,21.799 6.935,21.6 ccw(c7.899,22.564) 7.899,21.2 10.26,21.2 ccw(c10.26,21.939) 10.782,21.416 10.856,21.49 ccw(c10.448,21.898) 11.025,21.898 11.025,21.968 ccw(c10.705,22.11) 11.055,22.11 11.055,22.565 cw(c11.452,22.408) T3.7@11.15,22.71
RGB_B_GPIO116: R77.2 U1.W10 | length 8.7
  Top Layer w0.15: U1.W10@29,32.2 30.4,33.6 30.4,33.9
  Top Layer w0.2: v1(29.7,35.4) 30.4,34.7 30.4,33.9
  Layer 4 w0.2: 27.6,35.4 v1(29.7,35.4)
  Bottom Layer w0.25: R77.2@27.6,36.4 28.7,36.4 v1(29.7,35.4)
RGB_G_GPIO29: R78.2 U1.W11 | length 7.7
  Top Layer w0.15: U1.W11@28.2,32.2 29.7,33.7 29.7,33.9
  Top Layer w0.2: 29.7,33.9 v1(29.7,34.27)
  Layer 4 w0.2: 27.6,35 28.97,35 v1(29.7,34.27)
  Bottom Layer w0.25: R78.2@27.6,35.5 28.47,35.5 v1(29.7,34.27)
RGB_R_GPIO28: R86.2 U1.V11 | length 4.9
  Top Layer w0.15: U1.V11@28.2,31.4 27.8,31.8 27.8,32.4 28.9,33.5 28.9,33.9
  Top Layer w0.2: 28.9,33.9 v1(28.9,34.281)
  Bottom Layer w0.25: R86.2@27.6,34.6 28.581,34.6 v1(28.9,34.281)
SA1_N: C22.2 R24.3 U3.10 | length 18.2
  Layer 5 w0.3: v2(51.3,19.5) 51.3,20.055 51.045,20.31 51.045,20.89 51.073,20.917 51.045,20.945 51.7,21.6 63.395,21.6 v2(63.5,21.6)
  Bottom Layer w0.2: U3.10@50.25,17.65 50.25,18.05 50.344,18.144 50.394,18.144 50.4,18.15 50.424,18.15 50.6,18.326 50.6,18.35 C22.2@51,18.75 51,19.2 v2(51.3,19.5)
  Bottom Layer w0.3: R24.3@63.095,23 63.095,22.005 v2(63.5,21.6)
SA1_P: C22.1 R24.4 U3.9 | length 17.6
  Layer 5 w0.3: v2(51.745,20.6) 51.799,20.6 52.2,21 52.281,21 52.331,21.05 52.911,21.05 52.961,21 62.946,21 63.196,20.75 v2(63.25,20.75)
  Bottom Layer w0.2: U3.9@49.75,17.65 49.75,18.15 50,18.4 C22.1@50,18.75 50,19.2 51.4,20.6 v2(51.745,20.6)
  Bottom Layer w0.3: R24.4@63.095,19 63.095,20.595 v2(63.25,20.75)
SA2_N: C45.2 R37.3 U4.10 | length 64.1
  Layer 5 w0.2: v2(51.2,42.1) 51.2,42.119 50.469,42.85 49.931,42.85 49.681,42.6 47.834,42.6 45.7,40.466 45.7,38.534 47.034,37.2 49.1,37.2 50.5,35.8 50.5,31.934 52.234,30.2 59.034,30.2 60.4,28.834 60.4,28.234 61.234,27.4 65.666,27.4 66.5,28.234 66.5,30 67.817,31.317 70.517,31.317 71.09,30.744 73.044,30.744 74,31.7 78.203,31.7 78.55,31.353 v2(78.55,30.678)
  Bottom Layer w0.25: U4.10@50.25,36.875 50.25,37.25 50.5,37.5 50.9,37.5 51,37.6 C45.2@51,38.1 50.9,38.2 50.9,38.8 51.2,39.1 v2(51.2,42.1) ; v2(78.55,30.678) 78.55,30.434 79.387,29.597 80.226,29.597 80.975,28.848 80.975,27.77 80.905,27.7 R37.3@80.905,27
SA2_P: C45.1 R37.4 U4.9 | length 59.8
  Layer 5 w0.2: v2(50.2,42.2) 48,42.2 46.1,40.3 46.1,38.7 47.2,37.6 49.266,37.6 50.9,35.966 50.9,32.1 52.4,30.6 59.2,30.6 60.8,29 60.8,28.4 61.4,27.8 65.5,27.8 66.1,28.4 66.1,30.166 67.651,31.717 70.683,31.717 71.256,31.144 72.879,31.144 73.834,32.1 78.568,32.1 79.49,31.178 v2(79.49,30.45)
  Bottom Layer w0.25: U4.9@49.75,36.875 49.75,37.85 C45.1@50,38.1 50.275,38.375 50.275,39.104 50.475,39.304 50.475,41.929 50.204,42.2 v2(50.2,42.2) ; v2(79.49,30.45) 79.779,30.161 80.695,30.161 80.905,30.371 ; R37.4@80.9,30.6 80.9,30.995 R37.4@80.905,31 80.905,30.371
SB1_N: C23.2 R25.3 U3.11 | length 27.4
  Layer 5 w0.2: v2(52.621,20.35) 52.621,20.28 52.701,20.2 54,20.2 55.7,18.5 63.534,18.5 64.434,19.4 68.4,19.4 69.85,20.85 69.85,21.069 70.231,21.45 70.45,21.45 v2(70.6,21.6)
  Bottom Layer w0.2: U3.11@50.9,17 51.3,17 51.4,17.1 51.4,18.1 51.6,18.3 C23.2@52,18.3 52,19.7 52.025,19.725 52.025,19.754 52.571,20.3 v2(52.621,20.35)
  Bottom Layer w0.25: R25.3@69.071,23 69.071,22.029 69.5,21.6 v2(70.6,21.6)